# KiCad board pico_keyboard_v1.kicad_pcb
title: Pico Prototype Keyboard 65%; date: 2022-05-30; note: Ver 0.4; note: CC BY-SA 4.0; note: https://github.com/zli117/Pico-Keyboard
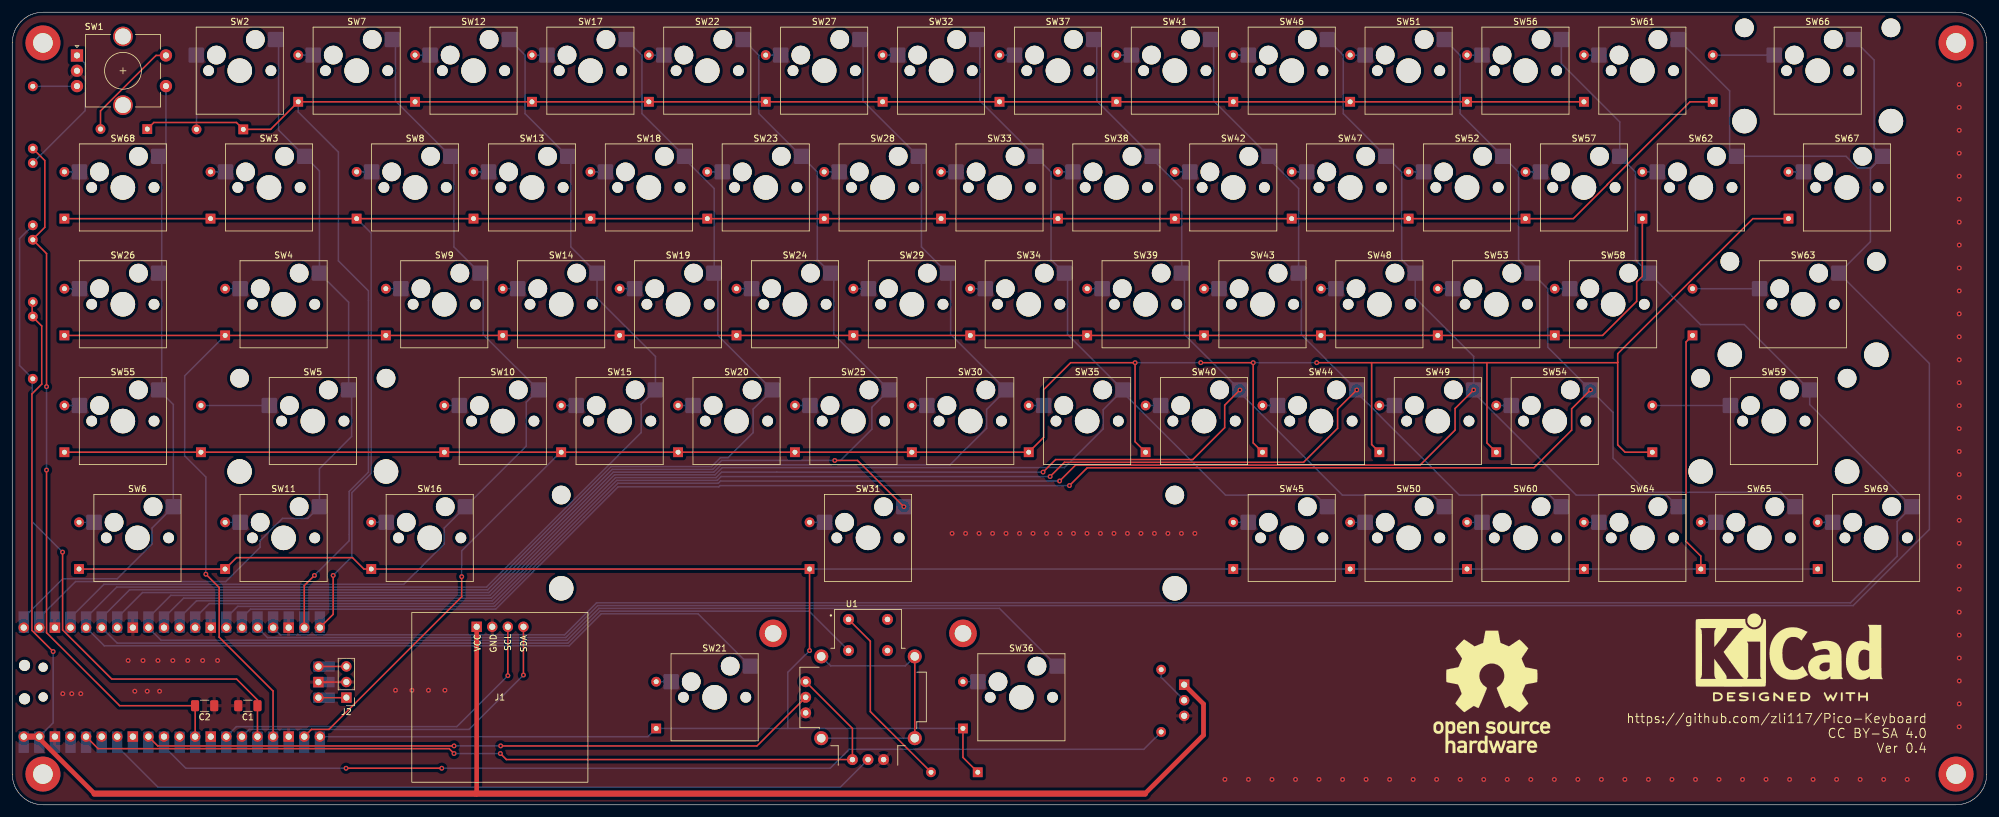
[diagram p0: board, top side]
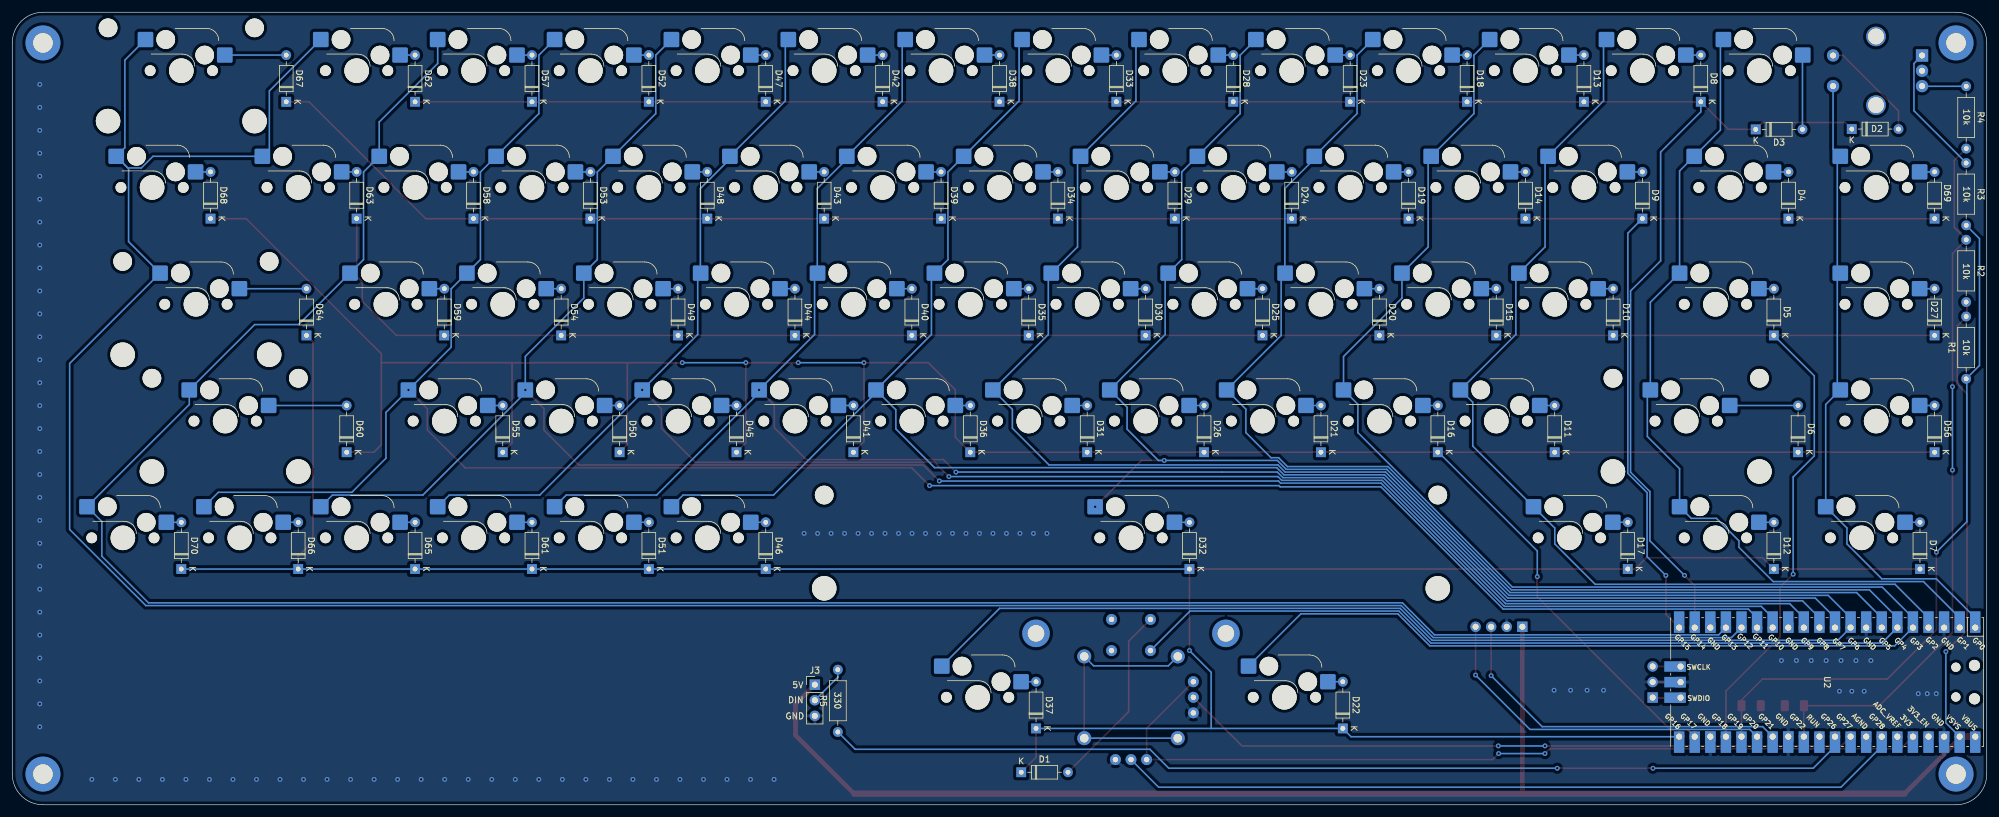
[diagram p1: board, bottom side, seen from below]

Outline 321.8 x 129.25 mm; copper layers: Top, Bottom. Coordinates in mm from the lower left corner of the outline.
Outline path: 0,124.25 0,5 arc(1.46,1.46) 5,0 316.8,0 arc(320.34,1.46) 321.8,5 321.8,124.25 arc(320.34,127.79) 316.8,129.25 5,129.25 arc(1.46,127.79) 0,124.25

## Placement (name value [footprint] x y rotation side)
C1  0.01 μF  [C_1206_3216Metric_Pad1.33x1.80mm_HandSolder]  38.4 16.15 180 top
C2  0.01 μF  [C_1206_3216Metric_Pad1.33x1.80mm_HandSolder]  31.35 16.15 180 top
D1  D  [D_DO-35_SOD27_P7.62mm_Horizontal]  157.36 5.3 180 bottom
D2  D  [D_DO-35_SOD27_P7.62mm_Horizontal]  22 110.2 180 bottom
D3  D  [D_DO-35_SOD27_P7.62mm_Horizontal]  37.65 110.15 180 bottom
D4  D  [D_DO-35_SOD27_P7.62mm_Horizontal]  32.31 95.59 90 bottom
D5  D  [D_DO-35_SOD27_P7.62mm_Horizontal]  34.69 76.54 90 bottom
D6  D  [D_DO-35_SOD27_P7.62mm_Horizontal]  30.75 57.5 90 bottom
D7  D  [D_DO-35_SOD27_P7.62mm_Horizontal]  10.88 38.44 90 bottom
D8  D  [D_DO-35_SOD27_P7.62mm_Horizontal]  46.6 114.64 90 bottom
D9  D  [D_DO-35_SOD27_P7.62mm_Horizontal]  56.12 95.59 90 bottom
D10  D  [D_DO-35_SOD27_P7.62mm_Horizontal]  60.89 76.54 90 bottom
D11  D  [D_DO-35_SOD27_P7.62mm_Horizontal]  70.41 57.5 90 bottom
D12  D  [D_DO-35_SOD27_P7.62mm_Horizontal]  34.69 38.44 90 bottom
D13  D  [D_DO-35_SOD27_P7.62mm_Horizontal]  65.65 114.64 90 bottom
D14  D  [D_DO-35_SOD27_P7.62mm_Horizontal]  75.17 95.59 90 bottom
D15  D  [D_DO-35_SOD27_P7.62mm_Horizontal]  79.94 76.54 90 bottom
D16  D  [D_DO-35_SOD27_P7.62mm_Horizontal]  89.46 57.5 90 bottom
D17  D  [D_DO-35_SOD27_P7.62mm_Horizontal]  58.51 38.44 90 bottom
D18  D  [D_DO-35_SOD27_P7.62mm_Horizontal]  84.7 114.64 90 bottom
D19  D  [D_DO-35_SOD27_P7.62mm_Horizontal]  94.22 95.59 90 bottom
D20  D  [D_DO-35_SOD27_P7.62mm_Horizontal]  98.99 76.54 90 bottom
D21  D  [D_DO-35_SOD27_P7.62mm_Horizontal]  108.51 57.5 90 bottom
D22  D  [D_DO-35_SOD27_P7.62mm_Horizontal]  104.94 12.44 90 bottom
D23  D  [D_DO-35_SOD27_P7.62mm_Horizontal]  103.75 114.64 90 bottom
D24  D  [D_DO-35_SOD27_P7.62mm_Horizontal]  113.28 95.59 90 bottom
D25  D  [D_DO-35_SOD27_P7.62mm_Horizontal]  118.04 76.54 90 bottom
D26  D  [D_DO-35_SOD27_P7.62mm_Horizontal]  127.56 57.5 90 bottom
D27  D  [D_DO-35_SOD27_P7.62mm_Horizontal]  8.5 76.54 90 bottom
D28  D  [D_DO-35_SOD27_P7.62mm_Horizontal]  122.8 114.64 90 bottom
D29  D  [D_DO-35_SOD27_P7.62mm_Horizontal]  132.32 95.59 90 bottom
D30  D  [D_DO-35_SOD27_P7.62mm_Horizontal]  137.09 76.54 90 bottom
D31  D  [D_DO-35_SOD27_P7.62mm_Horizontal]  146.61 57.5 90 bottom
D32  D  [D_DO-35_SOD27_P7.62mm_Horizontal]  129.94 38.44 90 bottom
D33  D  [D_DO-35_SOD27_P7.62mm_Horizontal]  141.85 114.64 90 bottom
D34  D  [D_DO-35_SOD27_P7.62mm_Horizontal]  151.38 95.59 90 bottom
D35  D  [D_DO-35_SOD27_P7.62mm_Horizontal]  156.14 76.54 90 bottom
D36  D  [D_DO-35_SOD27_P7.62mm_Horizontal]  165.66 57.5 90 bottom
D37  D  [D_DO-35_SOD27_P7.62mm_Horizontal]  154.94 12.44 90 bottom
D38  D  [D_DO-35_SOD27_P7.62mm_Horizontal]  160.9 114.64 90 bottom
D39  D  [D_DO-35_SOD27_P7.62mm_Horizontal]  170.43 95.59 90 bottom
D40  D  [D_DO-35_SOD27_P7.62mm_Horizontal]  175.19 76.54 90 bottom
D41  D  [D_DO-35_SOD27_P7.62mm_Horizontal]  184.71 57.5 90 bottom
D42  D  [D_DO-35_SOD27_P7.62mm_Horizontal]  179.95 114.64 90 bottom
D43  D  [D_DO-35_SOD27_P7.62mm_Horizontal]  189.47 95.59 90 bottom
D44  D  [D_DO-35_SOD27_P7.62mm_Horizontal]  194.24 76.54 90 bottom
D45  D  [D_DO-35_SOD27_P7.62mm_Horizontal]  203.76 57.5 90 bottom
D46  D  [D_DO-35_SOD27_P7.62mm_Horizontal]  199 38.44 90 bottom
D47  D  [D_DO-35_SOD27_P7.62mm_Horizontal]  199 114.64 90 bottom
D48  D  [D_DO-35_SOD27_P7.62mm_Horizontal]  208.52 95.59 90 bottom
D49  D  [D_DO-35_SOD27_P7.62mm_Horizontal]  213.29 76.54 90 bottom
D50  D  [D_DO-35_SOD27_P7.62mm_Horizontal]  222.81 57.5 90 bottom
D51  D  [D_DO-35_SOD27_P7.62mm_Horizontal]  218.05 38.44 90 bottom
D52  D  [D_DO-35_SOD27_P7.62mm_Horizontal]  218.05 114.64 90 bottom
D53  D  [D_DO-35_SOD27_P7.62mm_Horizontal]  227.57 95.59 90 bottom
D54  D  [D_DO-35_SOD27_P7.62mm_Horizontal]  232.34 76.54 90 bottom
D55  D  [D_DO-35_SOD27_P7.62mm_Horizontal]  241.86 57.5 90 bottom
D56  D  [D_DO-35_SOD27_P7.62mm_Horizontal]  8.5 57.5 90 bottom
D57  D  [D_DO-35_SOD27_P7.62mm_Horizontal]  237.1 114.64 90 bottom
D58  D  [D_DO-35_SOD27_P7.62mm_Horizontal]  246.62 95.59 90 bottom
D59  D  [D_DO-35_SOD27_P7.62mm_Horizontal]  251.39 76.54 90 bottom
D60  D  [D_DO-35_SOD27_P7.62mm_Horizontal]  267.3 57.5 90 bottom
D61  D  [D_DO-35_SOD27_P7.62mm_Horizontal]  237.1 38.44 90 bottom
D62  D  [D_DO-35_SOD27_P7.62mm_Horizontal]  256.15 114.64 90 bottom
D63  D  [D_DO-35_SOD27_P7.62mm_Horizontal]  265.68 95.59 90 bottom
D64  D  [D_DO-35_SOD27_P7.62mm_Horizontal]  273.85 76.54 90 bottom
D65  D  [D_DO-35_SOD27_P7.62mm_Horizontal]  256.15 38.44 90 bottom
D66  D  [D_DO-35_SOD27_P7.62mm_Horizontal]  275.2 38.44 90 bottom
D67  D  [D_DO-35_SOD27_P7.62mm_Horizontal]  277.15 114.64 90 bottom
D68  D  [D_DO-35_SOD27_P7.62mm_Horizontal]  289.49 95.59 90 bottom
D69  D  [D_DO-35_SOD27_P7.62mm_Horizontal]  8.5 95.59 90 bottom
D70  D  [D_DO-35_SOD27_P7.62mm_Horizontal]  294.25 38.44 90 bottom
J1  Conn_01x04_12864  [JMD0.96C]  79.47 17.53 0 top
J2  Conn_01x03_Female  [PinHeader_1x03_P2.54mm_Vertical]  54.45 17.47 180 top
J3  Conn_01x03_Female  [PinHeader_1x03_P2.54mm_Vertical]  191 19.58 180 bottom
R1  10k  [R_Axial_DIN0207_L6.3mm_D2.5mm_P10.16mm_Horizontal]  3.35 69.47 90 bottom
R2  10k  [R_Axial_DIN0207_L6.3mm_D2.5mm_P10.16mm_Horizontal]  3.35 92.15 270 bottom
R3  10k  [R_Axial_DIN0207_L6.3mm_D2.5mm_P10.16mm_Horizontal]  3.35 104.66 270 bottom
R4  10k  [R_Axial_DIN0207_L6.3mm_D2.5mm_P10.16mm_Horizontal]  3.35 117.18 270 bottom
R5  330  [R_Axial_DIN0207_L6.3mm_D2.5mm_P10.16mm_Horizontal]  187.25 11.87 90 bottom
REF**  -  [Stabilizer_Cherry_MX_2.00u]  291.87 81.62 0 top
REF**#2  -  [OSHW-Logo_19x20mm_SilkScreen]  241.12 18.42 0 top
REF**#3  -  [MountingHole_2.7mm_M2.5_ISO7380_Pad]  124 27.95 0 top
REF**#4  -  [Stabilizer_Cherry_MX_2.00u]  287.11 62.57 0 top
REF**#5  -  [MountingHole_3.2mm_M3_ISO7380_Pad]  5 124.25 0 top
REF**#6  -  [MountingHole_3.2mm_M3_ISO7380_Pad]  5 5 0 top
REF**#7  -  [KiCad-Logo2_12mm_SilkScreen]  289.6 25.27 0 top
REF**#8  -  [Stabilizer_Cherry_MX_6.25u]  139.47 43.53 0 top
REF**#9  -  [Stabilizer_Cherry_MX_2.00u]  294.25 119.72 0 top
REF**#10  -  [Stabilizer_Cherry_MX_2.00u]  48.98 62.57 0 top
REF**#11  -  [MountingHole_3.2mm_M3_ISO7380_Pad]  316.8 5 0 top
REF**#12  -  [MountingHole_3.2mm_M3_ISO7380_Pad]  316.8 124.25 0 top
REFr  -  [MountingHole_2.7mm_M2.5_ISO7380_Pad]  154.95 27.95 0 top
SW1  RotaryEncoder_Switch  [RotaryEncoder_Alps_EC11E-Switch_Vertical_H20mm_CircularMountingHoles]  10.55 122.2 0 top
SW2  SW_`  [SW_Hotswap_Kailh_MX_1.00u]  37.08 119.72 0 top
SW3  SW_tab  [SW_Hotswap_Kailh_MX_1.50u]  41.84 100.67 0 top
SW4  SW_caps  [SW_Hotswap_Kailh_MX_1.75u]  44.22 81.62 0 top
SW5  SW_shift  [SW_Hotswap_Kailh_MX_2.25u]  48.98 62.57 0 top
SW6  SW_ctrl  [SW_Hotswap_Kailh_MX_1.25u]  20.41 43.53 0 top
SW7  SW_1  [SW_Hotswap_Kailh_MX_1.00u]  56.12 119.72 0 top
SW8  SW_q  [SW_Hotswap_Kailh_MX_1.00u]  65.65 100.67 0 top
SW9  SW_a  [SW_Hotswap_Kailh_MX_1.00u]  70.41 81.62 0 top
SW10  SW_z  [SW_Hotswap_Kailh_MX_1.00u]  79.94 62.57 0 top
SW11  SW_super  [SW_Hotswap_Kailh_MX_1.25u]  44.22 43.53 0 top
SW12  SW_2  [SW_Hotswap_Kailh_MX_1.00u]  75.17 119.72 0 top
SW13  SW_w  [SW_Hotswap_Kailh_MX_1.00u]  84.7 100.67 0 top
SW14  SW_s  [SW_Hotswap_Kailh_MX_1.00u]  89.46 81.62 0 top
SW15  SW_x  [SW_Hotswap_Kailh_MX_1.00u]  98.99 62.57 0 top
SW16  SW_alt  [SW_Hotswap_Kailh_MX_1.25u]  68.03 43.53 0 top
SW17  SW_3  [SW_Hotswap_Kailh_MX_1.00u]  94.22 119.72 0 top
SW18  SW_e  [SW_Hotswap_Kailh_MX_1.00u]  103.75 100.67 0 top
SW19  SW_d  [SW_Hotswap_Kailh_MX_1.00u]  108.51 81.62 0 top
SW20  SW_c  [SW_Hotswap_Kailh_MX_1.00u]  118.04 62.57 0 top
SW21  SW_m_left  [SW_Hotswap_Kailh_MX_1.00u]  114.47 17.53 0 top
SW22  SW_4  [SW_Hotswap_Kailh_MX_1.00u]  113.28 119.72 0 top
SW23  SW_r  [SW_Hotswap_Kailh_MX_1.00u]  122.8 100.67 0 top
SW24  SW_f  [SW_Hotswap_Kailh_MX_1.00u]  127.56 81.62 0 top
SW25  SW_v  [SW_Hotswap_Kailh_MX_1.00u]  137.09 62.57 0 top
SW26  SW_del  [SW_Hotswap_Kailh_MX_1.00u]  18.03 81.62 0 top
SW27  SW_5  [SW_Hotswap_Kailh_MX_1.00u]  132.32 119.72 0 top
SW28  SW_t  [SW_Hotswap_Kailh_MX_1.00u]  141.85 100.67 0 top
SW29  SW_g  [SW_Hotswap_Kailh_MX_1.00u]  146.61 81.62 0 top
SW30  SW_b  [SW_Hotswap_Kailh_MX_1.00u]  156.14 62.57 0 top
SW31  SW_space  [SW_Hotswap_Kailh_MX_6.25u]  139.47 43.53 0 top
SW32  SW_6  [SW_Hotswap_Kailh_MX_1.00u]  151.38 119.72 0 top
SW33  SW_y  [SW_Hotswap_Kailh_MX_1.00u]  160.9 100.67 0 top
SW34  SW_h  [SW_Hotswap_Kailh_MX_1.00u]  165.66 81.62 0 top
SW35  SW_n  [SW_Hotswap_Kailh_MX_1.00u]  175.19 62.57 0 top
SW36  SW_m_right  [SW_Hotswap_Kailh_MX_1.00u]  164.47 17.53 0 top
SW37  SW_7  [SW_Hotswap_Kailh_MX_1.00u]  170.43 119.72 0 top
SW38  SW_u  [SW_Hotswap_Kailh_MX_1.00u]  179.95 100.67 0 top
SW39  SW_j  [SW_Hotswap_Kailh_MX_1.00u]  184.71 81.62 0 top
SW40  SW_m  [SW_Hotswap_Kailh_MX_1.00u]  194.24 62.57 0 top
SW41  SW_8  [SW_Hotswap_Kailh_MX_1.00u]  189.47 119.72 0 top
SW42  SW_i  [SW_Hotswap_Kailh_MX_1.00u]  199 100.67 0 top
SW43  SW_k  [SW_Hotswap_Kailh_MX_1.00u]  203.76 81.62 0 top
SW44  SW_,  [SW_Hotswap_Kailh_MX_1.00u]  213.29 62.57 0 top
SW45  SW_fn1  [SW_Hotswap_Kailh_MX_1.00u]  208.52 43.53 0 top
SW46  SW_9  [SW_Hotswap_Kailh_MX_1.00u]  208.52 119.72 0 top
SW47  SW_o  [SW_Hotswap_Kailh_MX_1.00u]  218.05 100.67 0 top
SW48  SW_l  [SW_Hotswap_Kailh_MX_1.00u]  222.81 81.62 0 top
SW49  SW_.  [SW_Hotswap_Kailh_MX_1.00u]  232.34 62.57 0 top
SW50  SW_fn2  [SW_Hotswap_Kailh_MX_1.00u]  227.57 43.53 0 top
SW51  SW_0  [SW_Hotswap_Kailh_MX_1.00u]  227.57 119.72 0 top
SW52  SW_p  [SW_Hotswap_Kailh_MX_1.00u]  237.1 100.67 0 top
SW53  SW_;  [SW_Hotswap_Kailh_MX_1.00u]  241.86 81.62 0 top
SW54  SW_/  [SW_Hotswap_Kailh_MX_1.00u]  251.39 62.57 0 top
SW55  SW_ins  [SW_Hotswap_Kailh_MX_1.00u]  18.03 62.57 0 top
SW56  SW_-  [SW_Hotswap_Kailh_MX_1.00u]  246.62 119.72 0 top
SW57  SW_[  [SW_Hotswap_Kailh_MX_1.00u]  256.15 100.67 0 top
SW58  SW_'  [SW_Hotswap_Kailh_MX_1.00u]  260.91 81.62 0 top
SW59  SW_r_shift  [SW_Hotswap_Kailh_MX_2.75u]  287.11 62.57 0 top
SW60  SW_left  [SW_Hotswap_Kailh_MX_1.00u]  246.62 43.53 0 top
SW61  SW_+  [SW_Hotswap_Kailh_MX_1.00u]  265.68 119.72 0 top
SW62  SW_]  [SW_Hotswap_Kailh_MX_1.00u]  275.2 100.67 0 top
SW63  SW_enter  [SW_Hotswap_Kailh_MX_2.25u]  291.87 81.62 0 top
SW64  SW_down  [SW_Hotswap_Kailh_MX_1.00u]  265.68 43.53 0 top
SW65  SW_up  [SW_Hotswap_Kailh_MX_1.00u]  284.73 43.53 0 top
SW66  SW_back  [SW_Hotswap_Kailh_MX_2.00u]  294.25 119.72 0 top
SW67  SW_\  [SW_Hotswap_Kailh_MX_1.50u]  299.01 100.67 0 top
SW68  SW_esc  [SW_Hotswap_Kailh_MX_1.00u]  18.03 100.67 0 top
SW69  SW_right  [SW_Hotswap_Kailh_MX_1.00u]  303.77 43.53 0 top
U1  COM-09032  [XDCR_COM-09032]  139.47 17.53 0 top
U2  Pico  [RPi_Pico_SMD_TH]  26 20 270 bottom

## Library data of the parts
U1 = -: MANUFACTURER: SparkFun Electronics; MAXIMUM_PACKAGE_HEIGHT: 30.1mm; PARTREV: N/A; STANDARD: Manufacturer Recommendations

## Footprints (pads in the part's own frame, mm; a bottom-side part is the same pattern mirrored in y, then rotated)
C_1206_3216Metric_Pad1.33x1.80mm_HandSolder
  rrect 1.325x1.8 smd: 1(-1.562,0) 2(1.562,0)
D_DO-35_SOD27_P7.62mm_Horizontal
  rect 1.6x1.6 hole 0.8: 1(0,0)
  oval 1.6x1.6 hole 0.8: 2(7.62,0)
JMD0.96C
  rect 1.7x1.7 hole 1: 1(-3.78,11.5)
  oval 1.7x1.7 hole 1: 2(-1.24,11.5) 3(1.3,11.5) 4(3.84,11.5)
MountingHole_2.7mm_M2.5_ISO7380_Pad
  round 4.5 hole 2.7: 1(0,0)
MountingHole_3.2mm_M3_ISO7380_Pad
  round 5.7 hole 3.2: 1(0,0)
PinHeader_1x03_P2.54mm_Vertical
  rect 1.7x1.7 hole 1: 1(0,0)
  oval 1.7x1.7 hole 1: 2(0,-2.54) 3(0,-5.08)
R_Axial_DIN0207_L6.3mm_D2.5mm_P10.16mm_Horizontal
  round 1.6 hole 0.8: 1(0,0)
  oval 1.6x1.6 hole 0.8: 2(10.16,0)
RotaryEncoder_Alps_EC11E-Switch_Vertical_H20mm_CircularMountingHoles
  rect 2x2 hole 1: A(0,0)
  round 2 hole 1: B(0,-5) C(0,-2.5) S1(14.5,-5) S2(14.5,0)
  round 3.2 hole 2.6: MP(7.5,3.1) MP(7.5,-8.1)
RPi_Pico_SMD_TH
  oval 1.8x1.8 hole 1.8 unplated: (-2.725,24) (2.725,24)
  oval 1.5x1.5 hole 1.5 unplated: (-2.425,20.97) (2.425,20.97)
  oval 1.7x1.7 hole 1.02: 1(-8.89,24.13) 2(-8.89,21.59) 4(-8.89,16.51) 5(-8.89,13.97) 6(-8.89,11.43) 7(-8.89,8.89) 9(-8.89,3.81) 10(-8.89,1.27) 11(-8.89,-1.27) 12(-8.89,-3.81) 14(-8.89,-8.89) 15(-8.89,-11.43) 16(-8.89,-13.97) 17(-8.89,-16.51) 19(-8.89,-21.59) 20(-8.89,-24.13) 21(8.89,-24.13) 22(8.89,-21.59) 24(8.89,-16.51) 25(8.89,-13.97) 26(8.89,-11.43) 27(8.89,-8.89) 29(8.89,-3.81) 30(8.89,-1.27) 31(8.89,1.27) 32(8.89,3.81) 34(8.89,8.89) 35(8.89,11.43) 36(8.89,13.97) 37(8.89,16.51) 39(8.89,21.59) 40(8.89,24.13) 41(-2.54,-23.9) 43(2.54,-23.9)
  rect 3.5x1.7 smd: 1(-8.89,24.13) 2(-8.89,21.59) 3(-8.89,19.05) 4(-8.89,16.51) 5(-8.89,13.97) 6(-8.89,11.43) 7(-8.89,8.89) 8(-8.89,6.35) 9(-8.89,3.81) 10(-8.89,1.27) 11(-8.89,-1.27) 12(-8.89,-3.81) 13(-8.89,-6.35) 14(-8.89,-8.89) 15(-8.89,-11.43) 16(-8.89,-13.97) 17(-8.89,-16.51) 18(-8.89,-19.05) 19(-8.89,-21.59) 20(-8.89,-24.13) 21(8.89,-24.13) 22(8.89,-21.59) 23(8.89,-19.05) 24(8.89,-16.51) 25(8.89,-13.97) 26(8.89,-11.43) 27(8.89,-8.89) 28(8.89,-6.35) 29(8.89,-3.81) 30(8.89,-1.27) 31(8.89,1.27) 32(8.89,3.81) 33(8.89,6.35) 34(8.89,8.89) 35(8.89,11.43) 36(8.89,13.97) 37(8.89,16.51) 38(8.89,19.05) 39(8.89,21.59) 40(8.89,24.13)
  rect 1.7x1.7 hole 1.02: 3(-8.89,19.05) 8(-8.89,6.35) 13(-8.89,-6.35) 18(-8.89,-19.05) 23(8.89,-19.05) 28(8.89,-6.35) 33(8.89,6.35) 38(8.89,19.05) 42(0,-23.9)
  rect 1.7x3.5 smd: 41(-2.54,-23.9) 42(0,-23.9) 43(2.54,-23.9)
Stabilizer_Cherry_MX_2.00u
  round 3.048 hole 3.048 unplated: (-11.938,6.985) (11.938,6.985)
  round 3.988 hole 3.988 unplated: (-11.938,-8.225) (11.938,-8.225)
Stabilizer_Cherry_MX_6.25u
  round 3.048 hole 3.048 unplated: (-50,6.985) (50,6.985)
  round 3.988 hole 3.988 unplated: (-50,-8.225) (50,-8.225)
SW_Hotswap_Kailh_MX_1.00u
  round 1.75 hole 1.75 unplated: (-5.08,0) (5.08,0)
  round 3.05 hole 3.05 unplated: (-3.81,2.54) (2.54,5.08)
  round 4 hole 4 unplated: (0,0)
  rrect 2.55x2.5 smd far side: 1(-7.085,2.54) 2(5.842,5.08)
SW_Hotswap_Kailh_MX_1.25u
  round 1.75 hole 1.75 unplated: (-5.08,0) (5.08,0)
  round 3.05 hole 3.05 unplated: (-3.81,2.54) (2.54,5.08)
  round 4 hole 4 unplated: (0,0)
  rrect 2.55x2.5 smd far side: 1(-7.085,2.54) 2(5.842,5.08)
SW_Hotswap_Kailh_MX_1.50u
  round 1.75 hole 1.75 unplated: (-5.08,0) (5.08,0)
  round 3.05 hole 3.05 unplated: (-3.81,2.54) (2.54,5.08)
  round 4 hole 4 unplated: (0,0)
  rrect 2.55x2.5 smd far side: 1(-7.085,2.54) 2(5.842,5.08)
SW_Hotswap_Kailh_MX_1.75u
  round 1.75 hole 1.75 unplated: (-5.08,0) (5.08,0)
  round 3.05 hole 3.05 unplated: (-3.81,2.54) (2.54,5.08)
  round 4 hole 4 unplated: (0,0)
  rrect 2.55x2.5 smd far side: 1(-7.085,2.54) 2(5.842,5.08)
SW_Hotswap_Kailh_MX_2.00u
  round 1.75 hole 1.75 unplated: (-5.08,0) (5.08,0)
  round 3.05 hole 3.05 unplated: (-3.81,2.54) (2.54,5.08)
  round 4 hole 4 unplated: (0,0)
  rrect 2.55x2.5 smd far side: 1(-7.085,2.54) 2(5.842,5.08)
SW_Hotswap_Kailh_MX_2.25u
  round 1.75 hole 1.75 unplated: (-5.08,0) (5.08,0)
  round 3.05 hole 3.05 unplated: (-3.81,2.54) (2.54,5.08)
  round 4 hole 4 unplated: (0,0)
  rrect 2.55x2.5 smd far side: 1(-7.085,2.54) 2(5.842,5.08)
SW_Hotswap_Kailh_MX_2.75u
  round 1.75 hole 1.75 unplated: (-5.08,0) (5.08,0)
  round 3.05 hole 3.05 unplated: (-3.81,2.54) (2.54,5.08)
  round 4 hole 4 unplated: (0,0)
  rrect 2.55x2.5 smd far side: 1(-7.085,2.54) 2(5.842,5.08)
SW_Hotswap_Kailh_MX_6.25u
  round 1.75 hole 1.75 unplated: (-5.08,0) (5.08,0)
  round 3.05 hole 3.05 unplated: (-3.81,2.54) (2.54,5.08)
  round 4 hole 4 unplated: (0,0)
  rrect 2.55x2.5 smd far side: 1(-7.085,2.54) 2(5.842,5.08)
XDCR_COM-09032
  round 1.778 hole 0.9: B1A(-3.175,12.7) B1B(3.175,12.7) B2A(-3.175,7.62) B2B(3.175,7.62)
  round 1.778 hole 0.889: H1(-2.54,-10.16) H2(0,-10.16) H3(2.54,-10.16) V1(-10.16,2.54) V2(-10.16,0) V3(-10.16,-2.54)
  round 2.286 hole 1.397: S1(-7.62,6.668) S2(-7.62,-6.668) S3(7.62,-6.668) S4(7.62,6.668)

## Nets
+3V3: U1.H1 U1.V1 U2.36
+5V: J1.1 J3.1 R1.2 R2.2 U2.39 U2.40
GND: C1.2 C2.1 J1.2 J2.2 J3.3 SW1.C U1.H3 U1.V3 U2.3 U2.8 U2.13 U2.18 U2.23 U2.28 U2.38 U2.42
C0: SW1.S1 SW6.2 SW26.2 SW55.2 SW68.2 U2.1
C1: SW2.2 SW3.2 SW4.2 SW5.2 SW11.2 U2.2
C2: SW7.2 SW8.2 SW9.2 SW10.2 SW16.2 U2.4
C3: SW12.2 SW13.2 SW14.2 SW15.2 SW21.2 U2.5
C4: SW17.2 SW18.2 SW19.2 SW20.2 U1.B2A U2.6
C5: SW22.2 SW23.2 SW24.2 SW25.2 SW31.2 U2.7
C6: SW27.2 SW28.2 SW29.2 SW30.2 SW36.2 U2.9
C7: SW32.2 SW33.2 SW34.2 SW35.2 SW45.2 U2.10
C8: SW37.2 SW38.2 SW39.2 SW40.2 SW50.2 U2.11
C9: SW41.2 SW42.2 SW43.2 SW44.2 SW60.2 U2.12
C10: SW46.2 SW47.2 SW48.2 SW49.2 SW64.2 U2.14
C11: SW51.2 SW52.2 SW53.2 SW54.2 SW65.2 U2.15
C12: SW56.2 SW57.2 SW58.2 SW59.2 SW69.2 U2.17
GPIO12: SW61.2 SW62.2 SW63.2 SW66.2 SW67.2 U2.16
GPIO14: D2.1 D3.1 D8.1 D13.1 D18.1 D23.1 D28.1 D33.1 D38.1 D42.1 D47.1 D52.1 D57.1 D62.1 U2.19
GPIO15: D4.1 D9.1 D14.1 D19.1 D24.1 D29.1 D34.1 D39.1 D43.1 D48.1 D53.1 D58.1 D67.1 D69.1 U2.20
GPIO16: D1.1 D7.1 D12.1 D17.1 D22.1 D32.1 D37.1 D46.1 D51.1 D61.1 D64.1 D65.1 D66.1 D70.1 U2.21
GPIO17: D6.1 D11.1 D16.1 D21.1 D26.1 D31.1 D36.1 D41.1 D45.1 D50.1 D55.1 D56.1 D60.1 D68.1 U2.22
GPIO18: D5.1 D10.1 D15.1 D20.1 D25.1 D27.1 D30.1 D35.1 D40.1 D44.1 D49.1 D54.1 D59.1 D63.1 U2.24
GPIO19: C1.1 R1.1 R3.2 U2.25
GPIO20: J1.4 U2.26
GPIO21: J1.3 U2.27
GPIO22: C2.2 R2.1 R4.2 U2.29
GPIO26: R5.1 U2.31
GPIO27: U1.V2 U2.32
GPIO28: U1.H2 U2.34
Net-(D1-Pad2): D1.2 U1.B1A
Net-(D2-Pad2): D2.2 SW1.S2
Net-(D3-Pad2): D3.2 SW2.1
Net-(D4-Pad2): D4.2 SW3.1
Net-(D5-Pad2): D5.2 SW4.1
Net-(D6-Pad2): D6.2 SW5.1
Net-(D7-Pad2): D7.2 SW6.1
Net-(D8-Pad2): D8.2 SW7.1
Net-(D9-Pad2): D9.2 SW8.1
Net-(D10-Pad2): D10.2 SW9.1
Net-(D11-Pad2): D11.2 SW10.1
Net-(D12-Pad2): D12.2 SW11.1
Net-(D13-Pad2): D13.2 SW12.1
Net-(D14-Pad2): D14.2 SW13.1
Net-(D15-Pad2): D15.2 SW14.1
Net-(D16-Pad2): D16.2 SW15.1
Net-(D17-Pad2): D17.2 SW16.1
Net-(D18-Pad2): D18.2 SW17.1
Net-(D19-Pad2): D19.2 SW18.1
Net-(D20-Pad2): D20.2 SW19.1
Net-(D21-Pad2): D21.2 SW20.1
Net-(D22-Pad2): D22.2 SW21.1
Net-(D23-Pad2): D23.2 SW22.1
Net-(D24-Pad2): D24.2 SW23.1
Net-(D25-Pad2): D25.2 SW24.1
Net-(D26-Pad2): D26.2 SW25.1
Net-(D27-Pad2): D27.2 SW26.1
Net-(D28-Pad2): D28.2 SW27.1
Net-(D29-Pad2): D29.2 SW28.1
Net-(D30-Pad2): D30.2 SW29.1
Net-(D31-Pad2): D31.2 SW30.1
Net-(D32-Pad2): D32.2 SW31.1
Net-(D33-Pad2): D33.2 SW32.1
Net-(D34-Pad2): D34.2 SW33.1
Net-(D35-Pad2): D35.2 SW34.1
Net-(D36-Pad2): D36.2 SW35.1
Net-(D37-Pad2): D37.2 SW36.1
Net-(D38-Pad2): D38.2 SW37.1
Net-(D39-Pad2): D39.2 SW38.1
Net-(D40-Pad2): D40.2 SW39.1
Net-(D41-Pad2): D41.2 SW40.1
Net-(D42-Pad2): D42.2 SW41.1
Net-(D43-Pad2): D43.2 SW42.1
Net-(D44-Pad2): D44.2 SW43.1
Net-(D45-Pad2): D45.2 SW44.1
Net-(D46-Pad2): D46.2 SW45.1
Net-(D47-Pad2): D47.2 SW46.1
Net-(D48-Pad2): D48.2 SW47.1
Net-(D49-Pad2): D49.2 SW48.1
Net-(D50-Pad2): D50.2 SW49.1
Net-(D51-Pad2): D51.2 SW50.1
Net-(D52-Pad2): D52.2 SW51.1
Net-(D53-Pad2): D53.2 SW52.1
Net-(D54-Pad2): D54.2 SW53.1
Net-(D55-Pad2): D55.2 SW54.1
Net-(D56-Pad2): D56.2 SW55.1
Net-(D57-Pad2): D57.2 SW56.1
Net-(D58-Pad2): D58.2 SW57.1
Net-(D59-Pad2): D59.2 SW58.1
Net-(D60-Pad2): D60.2 SW59.1
Net-(D61-Pad2): D61.2 SW60.1
Net-(D62-Pad2): D62.2 SW61.1
Net-(D63-Pad2): D63.2 SW62.1
Net-(D64-Pad2): D64.2 SW63.1
Net-(D65-Pad2): D65.2 SW64.1
Net-(D66-Pad2): D66.2 SW65.1
Net-(D67-Pad2): D67.2 SW66.1
Net-(D68-Pad2): D68.2 SW67.1
Net-(D69-Pad2): D69.2 SW68.1
Net-(D70-Pad2): D70.2 SW69.1
Net-(J2-Pad1): J2.1 U2.43
Net-(J2-Pad3): J2.3 U2.41
Net-(J3-Pad2): J3.2 R5.2
Net-(R3-Pad1): R3.1 SW1.A
Net-(R4-Pad1): R4.1 SW1.B

Pads without a net: REF**#3 1; REF**#5 1; REF**#6 1; REF**#11 1; REF**#12 1; REFr 1; SW1 MP; U1 B1B B2B S1 S2 S3 S4; U2 30 33 35 37

## Via types
v1: diameter 0.8, hole 0.4, Top to Bottom, 126 vias

## Routing (per net, layer and track width the routed paths; a pad name or vN(x,y) marks a point on that pad's centre or on a via; arc(x,y) is an arc through that point)
+3V3: length 142.3
  Top w0.25: v1(72,8.35) 71.2,9.15 13.99,9.15 U2.36 ; U1.V1 136.93,12.44 U1.H1 80.53,7.37 v1(79.55,8.35)
  Bottom w0.25: v1(72,8.35) v1(79.55,8.35)
+5V: length 311.7
  Top w0.25: 3.3,82.02 3.25,81.97 3.25,79.63 4.8,78.08 4.8,68.6 3.2,67 3.2,28.44 v1(6.66,24.98) ; U2.39 4.41,10.79 ; 75.69,1.84 75.65,1.8
  Top w0.75: 184.6,1.8 194.15,11.35 194.15,16.43 J3.1 ; J1.1 75.69,1.84 ; 4.41,10.79 13.4,1.8
  Top w1: 184.6,1.8 13.4,1.8 ; U2.40 U2.39
  Bottom w0.25: v1(6.66,24.98) 6.66,13.36 U2.39
GND: length 4.6
  Top w0.25: J2.2 54.44,20 U2.42
  vias: v1(8.23,18.11) v1(9.7,18.11) v1(11.16,18.11) v1(18.88,23.52) v1(19.97,18.51) v1(21.31,23.52) v1(21.99,18.51) v1(23.74,23.52) v1(24.01,18.51) v1(26.17,23.52) v1(28.6,23.52) v1(31.03,23.52) v1(33.46,23.52) v1(62.45,18.67) v1(65.14,18.67) v1(67.82,18.67) v1(70.51,18.67) v1(153.17,44.25) v1(155.37,44.25) v1(157.57,44.25) v1(159.77,44.25) v1(161.97,44.25) v1(164.17,44.25) v1(166.36,44.25) v1(168.56,44.25) v1(170.76,44.25) v1(172.96,44.25) v1(175.16,44.25) v1(177.35,44.25) v1(179.55,44.25) v1(181.75,44.25) v1(183.95,44.25) v1(186.15,44.25) v1(188.35,44.25) v1(190.54,44.25) v1(192.74,44.25) v1(197.64,4.13) v1(201.47,4.13) v1(205.31,4.13) v1(209.14,4.13) v1(212.98,4.13) v1(216.81,4.13) v1(220.65,4.13) v1(224.48,4.13) v1(228.32,4.13) v1(232.15,4.13) v1(235.98,4.13) v1(239.82,4.13) v1(243.65,4.13) v1(247.49,4.13) v1(251.32,4.13) v1(255.16,4.13) v1(258.99,4.13) v1(262.83,4.13) v1(266.66,4.13) v1(270.5,4.13) v1(274.33,4.13) v1(278.16,4.13) v1(282,4.13) v1(285.83,4.13) v1(289.67,4.13) v1(293.5,4.13) v1(297.34,4.13) v1(301.17,4.13) v1(305.01,4.13) v1(308.84,4.13) v1(317.32,117.48) v1(317.32,113.73) v1(317.32,109.99) v1(317.32,106.25) v1(317.32,102.51) v1(317.32,98.77) v1(317.32,95.02) v1(317.32,91.28) v1(317.32,87.54) v1(317.32,83.8) v1(317.32,80.06) v1(317.32,76.32) v1(317.32,72.57) v1(317.32,68.83) v1(317.32,65.09) v1(317.32,61.35) v1(317.32,57.61) v1(317.32,53.87) v1(317.32,50.12) v1(317.32,46.38) v1(317.32,42.64) v1(317.32,38.9) v1(317.32,35.16) v1(317.32,31.41) v1(317.32,27.67) v1(317.32,23.93) v1(317.32,20.19) v1(317.32,16.45) v1(317.32,12.71)
C0: length 105.9
  Bottom w0.25: SW1.S1 25.05,106.93 SW68.2 24.35,105.27 24.35,87.19 SW26.2 24.35,86.22 24.35,68.14 SW55.2 26.25,65.27 SW6.2 22.78,45.14 22.78,42.53 17.1,36.85 8.22,36.85 1.87,30.5 U2.1
C1: length 138.9
  Bottom w0.25: U2.2 4.41,30.5 10.31,36.4 34.8,36.4 40.39,41.99 40.39,43.05 44.04,46.71 48.16,46.71 SW11.2 50.06,54.81 55.31,60.06 55.31,67.17 SW5.2 54.82,81.94 SW4.2 50.06,103.37 SW3.2 43.4,110.03 43.4,124.32 42.92,124.81
C2: length 166
  Bottom w0.25: 61.97,124.81 62.45,124.32 62.45,114.79 SW8.2 71.98,105.27 71.98,90.98 SW9.2 76.74,86.22 76.74,76.69 SW10.2 83.77,65.64 83.77,58.5 SW16.2 70.41,45.14 70.41,42.54 63.82,35.95 14.94,35.95 9.49,30.5 U2.4
C3: length 294.7
  Bottom w0.25: 81.02,124.81 83.58,122.25 83.58,112.72 SW13.2 91.03,105.27 91.03,90.98 SW14.2 95.3,82.63 104.83,73.11 SW15.2 102.5,65.33 102.5,60.7 77.3,35.5 17.03,35.5 12.03,30.5 U2.5 15,25.92 90.76,25.92 95.98,31.13 111.78,31.13 SW21.2
C4: length 323.2
  Bottom w0.25: 100.07,124.81 102.63,122.25 102.63,112.72 SW18.2 109.59,105.31 114.4,100.5 114.4,86.75 SW19.2 115,86.06 115,76.53 SW20.2 120.75,64.53 120.75,60.7 116.65,56.6 115.42,56.6 113.97,55.15 97.59,55.15 77.49,35.05 19.12,35.05 14.57,30.5 U2.6 17.09,26.37 90.57,26.37 95.79,31.58 129.86,31.58 U1.B2A
C5: length 226.3
  Top w0.25: v1(134.05,56.15) 137.77,56.15 v1(145.31,48.6)
  Bottom w0.25: U2.7 17.11,30.5 21.21,34.6 77.67,34.6 97.77,54.7 114.16,54.7 115.61,56.15 v1(134.05,56.15) 135,56.15 140.1,61.25 140.1,64.83 SW25.2 133.89,76.69 133.89,86.22 SW24.2 131.2,88.91 131.2,103.2 SW23.2 121.68,112.72 121.68,122.25 119.12,124.81
C6: length 380.6
  Bottom w0.25: 138.17,124.81 138.65,124.32 138.65,114.79 SW28.2 148.18,105.27 148.18,90.98 SW29.2 152.94,86.22 152.94,76.69 SW30.2 158.8,64.48 158.8,61.4 152.83,55.43 115.52,55.43 114.34,54.25 97.96,54.25 77.86,34.15 25.84,34.15 22.19,30.5 U2.9 24.26,26.82 90.39,26.82 95.6,32.03 160.88,32.03 SW36.2
C7: length 283.6
  Bottom w0.25: U2.10 24.73,30.5 27.93,33.7 78.05,33.7 98.14,53.8 114.53,53.8 115.7,54.98 171.48,54.98 177.8,61.3 177.8,64.43 SW35.2 ; 157.22,124.81 157.7,124.32 157.7,114.79 SW33.2 169.3,103.2 169.3,88.91 SW34.2 171.99,86.22 171.99,76.69 SW35.2 ; SW35.2 181.03,67.21 197.73,50.5 212.47,50.5 SW45.2
C8: length 300.5
  Top w0.25: v1(200.08,67.66) 197.6,65.18 197.6,61.5 192.4,56.3 170.05,56.3 v1(168,54.25)
  Bottom w0.25: 176.27,124.81 176.75,124.32 176.75,114.79 SW38.2 185.79,105.31 190.6,100.5 190.6,86.75 SW39.2 191.04,86.22 191.04,76.69 v1(200.08,67.66) 200.08,67.21 216.78,50.5 231.52,50.5 SW50.2 ; U2.11 27.27,30.5 30.02,33.25 78.23,33.25 98.33,53.35 114.72,53.35 115.61,54.25 124.6,54.25 124.6,54.25 v1(168,54.25)
C9: length 316.7
  Top w0.25: v1(219.13,67.66) 216,64.53 216,61.4 210.45,55.85 171.47,55.85 v1(169.15,53.53)
  Bottom w0.25: 195.32,124.81 195.8,124.32 195.8,114.79 SW42.2 204.84,105.31 209.65,100.5 209.65,86.75 SW43.2 210.09,86.22 210.09,76.69 v1(219.13,67.66) 219.13,67.21 235.83,50.5 250.57,50.5 SW60.2 ; U2.12 29.81,30.5 32.12,32.8 78.42,32.8 98.52,52.9 114.9,52.9 115.53,53.53 v1(169.15,53.53)
C10: length 330.9
  Top w0.25: v1(238.18,67.66) 235.15,64.63 235.15,61.1 229.45,55.4 173.3,55.4 v1(170.7,52.8)
  Bottom w0.25: SW64.2 269.62,50.5 254.88,50.5 238.18,67.21 v1(238.18,67.66) 238.18,73.12 228.65,82.65 SW48.2 226.45,88.91 226.45,103.2 SW47.2 216.93,112.72 216.93,122.25 214.37,124.81 ; U2.14 34.89,30.5 36.75,32.35 78.6,32.35 93.23,46.97 98.7,52.45 115.09,52.45 115.43,52.8 170.7,52.8 v1(170.7,52.8)
C11: length 351.5
  Top w0.25: v1(172.3,52.05) 175.2,54.95 248,54.95 254.15,61.1 254.15,64.58 v1(257.23,67.66)
  Bottom w0.25: U2.15 37.43,30.5 38.84,31.91 78.79,31.91 97.24,50.36 98.74,51.85 115.15,51.85 115.35,52.05 v1(172.3,52.05) ; 233.42,124.81 235.98,122.25 235.98,112.72 SW52.2 245.5,103.2 245.5,88.91 SW53.2 250.26,84.15 250.26,74.62 v1(257.23,67.66) 260.89,63.99 260.89,56.51 266.45,50.95 288.22,50.95 SW65.2
C12: length 383.6
  Bottom w0.25: U2.17 43.68,27.72 90.02,27.72 95.23,32.93 299.6,32.93 307.2,40.54 307.2,46.19 SW69.2 292.95,65.27 SW59.2 282.29,78.31 275.15,78.31 SW58.2 264.55,88.91 264.55,103.2 SW57.2 261.99,111.36 252.47,120.88 252.47,124.81
GPIO12: length 419.8
  Bottom w0.25: U2.16 41.59,27.27 90.2,27.27 95.42,32.48 300.03,32.48 312.45,44.9 312.45,71.97 SW63.2 302.84,91.84 302.84,103.74 SW67.2 ; SW67.2 303.45,107.16 303.45,121.44 300.09,124.81 ; SW67.2 302.95,103.86 300.77,103.86 298.87,105.75 SW62.2 279.9,106.9 279.9,116.42 271.52,124.81
GPIO14: length 331.8
  Top w0.25: v1(49.25,37.4) 47.59,35.74 U2.19 ; D62.1 D8.1 42.11,110.15 D3.1 36.53,111.27 23.07,111.27 D2.1
  Bottom w0.25: v1(49.25,37.4) 54.9,43.05 54.9,51.09 58.05,54.24 58.05,83.8 53.15,88.7 53.15,106.45 46.6,113 D8.1
GPIO15: length 347.7
  Top w0.25: D67.1 273.43,114.64 259.98,101.19 259.98,101.15 254.43,95.59 D58.1 D69.1 ; U2.20 52.3,31.06 v1(52.3,37.4)
  Bottom w0.25: D9.1 58.5,93.22 58.5,54.05 55.35,50.9 55.35,40.45 v1(52.3,37.4)
GPIO16: length 465.4
  Top w0.25: D66.1 275.2,40.55 272.8,42.95 272.8,75.49 D64.1 ; D1.1 154.94,7.72 D37.1 ; v1(129.94,25.14) D32.1 D17.1 57.31,38.44 55.45,40.3 36.55,40.3 34.69,38.44 D12.1 D7.1
  Bottom w0.25: 126.4,12.44 126.4,21.59 v1(129.94,25.14) ; 126.4,12.44 D37.1 ; 126.4,12.44 D22.1 103.6,11.1 50.14,11.1 U2.21 ; D32.1 D70.1
GPIO17: length 448.1
  Top w0.25: 240.35,72.1 261.6,72.1 261.65,72.16 ; 240.35,72.1 240.35,59.01 D55.1 ; 240.35,72.1 221.55,72.1 ; 221.55,72.1 v1(212.6,72.1) ; 221.55,72.1 221.55,58.76 D50.1 ; 261.65,72.16 261.65,58.69 262.86,57.5 D60.1 ; 261.65,72.16 261.65,73.56 283.69,95.59 D68.1 ; D41.1 183,59.21 v1(183,72.1) 172.5,72.1 168.1,67.7 168.1,59.93 D36.1 D56.1 ; D45.1 202.25,59.01 v1(202.25,72.1) v1(193.7,72.1) ; U2.22 48.76,12.28 51.61,12.28 73.25,33.93 v1(73.25,37.2)
  Bottom w0.25: v1(73.25,37.2) 73.25,41.4 89.34,57.5 D16.1 ; v1(183,72.1) v1(193.7,72.1) ; v1(202.25,72.1) v1(212.6,72.1)
GPIO18: length 346.6
  Top w0.25: D63.1 265.68,86.17 264.74,85.24 264.74,82.1 259.19,76.54 D59.1 D27.1 ; v1(31.55,37.6) 33.72,35.43 33.72,27.33 42.51,18.54 U2.24
  Bottom w0.25: v1(31.55,37.6) 31.55,53.45 28.1,56.9 28.1,69.95 D5.1
GPIO19: length 112.3
  Top w0.25: U2.25 39.96,11.12 C1.1 39.96,17.09 36.55,20.5 16.22,20.5 8.2,28.52 v1(8.2,41.2)
  Bottom w0.25: R3.2 1.18,92.33 1.18,71.64 R1.1 ; 3.25,69.47 3.25,46.15 v1(8.2,41.2)
GPIO20: length 57.9
  Top w0.25: v1(83.31,21.15) 83.31,21.15 J1.4
  Bottom w0.25: v1(83.31,21.15) 74.44,12.28 38.6,12.28 U2.26
GPIO21: length 58
  Top w0.25: v1(80.77,21.05) 80.77,21.05 J1.3
  Bottom w0.25: v1(80.77,21.05) 72.45,12.73 36.51,12.73 U2.27
GPIO22: length 115.7
  Top w0.25: R4.2 5.3,105.07 5.3,94.18 3.3,92.18 5.58,89.9 v1(5.58,68.18) ; v1(5.58,54.58) 5.58,28.07 17.5,16.15 C2.2 29.81,16.13 U2.29
  Bottom w0.25: v1(5.58,68.18) v1(5.58,54.58)
GPIO26: length 168.1
  Top w0.25: v1(54.4,5.95) v1(70,5.95)
  Bottom w0.25: U2.31 24.73,9.5 28.28,5.95 v1(54.4,5.95) ; R5.1 184.42,9.04 136.39,9.04 133.3,5.95 v1(70,5.95)
GPIO27: length 111
  Top w0.25: U1.V2 121.38,9.6 v1(79.6,9.6) ; U2.32 23.7,9.6 v1(72,9.6)
  Bottom w0.25: v1(72,9.6) v1(79.6,9.6)
GPIO28: length 128.6
  Bottom w0.25: U2.34 17.11,9.5 23.76,2.85 134.95,2.85 U1.H2
Net-(D1-Pad2): length 30.5
  Top w0.25: D1.2 139.85,15.19 139.85,26.67 U1.B1A
Net-(D2-Pad2): length 17.4
  Top w0.25: SW1.S2 23.42,122.2 14.38,113.16 D2.2
Net-(D3-Pad2): length 12.1
  Bottom w0.25: SW2.1 30.03,122.22 D3.2
Net-(D4-Pad2): length 2.4
  Bottom w0.25: D4.2 SW3.1
Net-(D5-Pad2): length 2.4
  Bottom w0.25: 34.69,84.17 SW4.1
Net-(D6-Pad2): length 11.1
  Bottom w0.25: SW5.1 D6.2
Net-(D7-Pad2): length 2.4
  Bottom w0.25: SW6.1 D7.2
Net-(D8-Pad2): length 2.4
  Bottom w0.25: SW7.1 D8.2
Net-(D9-Pad2): length 2.4
  Bottom w0.25: D9.2 58.56,103.22
Net-(D10-Pad2): length 2.4
  Bottom w0.25: 60.89,84.17 SW9.1
Net-(D11-Pad2): length 2.4
  Bottom w0.25: SW10.1 D11.2
Net-(D12-Pad2): length 2.4
  Bottom w0.25: D12.2 SW11.1
Net-(D13-Pad2): length 2.4
  Bottom w0.25: SW12.1 D13.2
Net-(D14-Pad2): length 2.4
  Bottom w0.25: D14.2 SW13.1
Net-(D15-Pad2): length 2.4
  Bottom w0.25: 79.94,84.17 SW14.1
Net-(D16-Pad2): length 2.4
  Bottom w0.25: SW15.1 D16.2
Net-(D17-Pad2): length 2.4
  Bottom w0.25: D17.2 SW16.1
Net-(D18-Pad2): length 2.4
  Bottom w0.25: SW17.1 D18.2
Net-(D19-Pad2): length 2.4
  Bottom w0.25: D19.2 SW18.1
Net-(D20-Pad2): length 2.4
  Bottom w0.25: 98.99,84.17 SW19.1
Net-(D21-Pad2): length 2.4
  Bottom w0.25: SW20.1 D21.2
Net-(D22-Pad2): length 2.4
  Bottom w0.25: D22.2 SW21.1
Net-(D23-Pad2): length 2.4
  Bottom w0.25: SW22.1 D23.2
Net-(D24-Pad2): length 2.4
  Bottom w0.25: D24.2 SW23.1
Net-(D25-Pad2): length 2.4
  Bottom w0.25: 118.04,84.17 SW24.1
Net-(D26-Pad2): length 2.4
  Bottom w0.25: SW25.1 D26.2
Net-(D27-Pad2): length 2.4
  Bottom w0.25: 8.5,84.17 SW26.1
Net-(D28-Pad2): length 2.4
  Bottom w0.25: SW27.1 D28.2
Net-(D29-Pad2): length 2.4
  Bottom w0.25: SW28.1 D29.2
Net-(D30-Pad2): length 2.4
  Bottom w0.25: 137.09,84.17 SW29.1
Net-(D31-Pad2): length 2.4
  Bottom w0.25: SW30.1 D31.2
Net-(D32-Pad2): length 2.4
  Bottom w0.25: D32.2 SW31.1
Net-(D33-Pad2): length 2.4
  Bottom w0.25: SW32.1 D33.2
Net-(D34-Pad2): length 2.4
  Bottom w0.25: D34.2 SW33.1
Net-(D35-Pad2): length 2.4
  Bottom w0.25: 156.14,84.17 SW34.1
Net-(D36-Pad2): length 2.4
  Bottom w0.25: SW35.1 D36.2
Net-(D37-Pad2): length 2.4
  Bottom w0.25: SW36.1 D37.2
Net-(D38-Pad2): length 2.4
  Bottom w0.25: SW37.1 D38.2
Net-(D39-Pad2): length 2.4
  Bottom w0.25: SW38.1 D39.2
Net-(D40-Pad2): length 2.4
  Bottom w0.25: 175.19,84.17 SW39.1
Net-(D41-Pad2): length 2.4
  Bottom w0.25: SW40.1 D41.2
Net-(D42-Pad2): length 2.4
  Bottom w0.25: SW41.1 D42.2
Net-(D43-Pad2): length 2.4
  Bottom w0.25: SW42.1 D43.2
Net-(D44-Pad2): length 2.4
  Bottom w0.25: 194.24,84.17 SW43.1
Net-(D45-Pad2): length 2.4
  Bottom w0.25: SW44.1 D45.2
Net-(D46-Pad2): length 2.4
  Bottom w0.25: D46.2 SW45.1
Net-(D47-Pad2): length 2.4
  Bottom w0.25: SW46.1 D47.2
Net-(D48-Pad2): length 2.4
  Bottom w0.25: 210.96,103.22 D48.2
Net-(D49-Pad2): length 2.4
  Bottom w0.25: 213.29,84.17 SW48.1
Net-(D50-Pad2): length 2.4
  Bottom w0.25: SW49.1 D50.2
Net-(D51-Pad2): length 2.4
  Bottom w0.25: D51.2 SW50.1
Net-(D52-Pad2): length 2.4
  Bottom w0.25: SW51.1 D52.2
Net-(D53-Pad2): length 2.4
  Bottom w0.25: SW52.1 D53.2
Net-(D54-Pad2): length 2.4
  Bottom w0.25: SW53.1 232.34,84.17
Net-(D55-Pad2): length 2.4
  Bottom w0.25: SW54.1 D55.2
Net-(D56-Pad2): length 2.4
  Bottom w0.25: SW55.1 D56.2
Net-(D57-Pad2): length 2.4
  Bottom w0.25: SW56.1 D57.2
Net-(D58-Pad2): length 2.4
  Bottom w0.25: SW57.1 D58.2
Net-(D59-Pad2): length 2.4
  Bottom w0.25: 251.39,84.17 SW58.1
Net-(D60-Pad2): length 12.7
  Bottom w0.25: SW59.1 D60.2
Net-(D61-Pad2): length 2.4
  Bottom w0.25: D61.2 SW60.1
Net-(D62-Pad2): length 2.4
  Bottom w0.25: SW61.1 D62.2
Net-(D63-Pad2): length 2.4
  Bottom w0.25: SW62.1 D63.2
Net-(D64-Pad2): length 10.9
  Bottom w0.25: 273.85,84.17 SW63.1
Net-(D65-Pad2): length 2.4
  Bottom w0.25: D65.2 SW64.1
Net-(D66-Pad2): length 2.4
  Bottom w0.25: D66.2 SW65.1
Net-(D67-Pad2): length 10
  Bottom w0.25: D67.2 287.16,122.26 SW66.1
Net-(D68-Pad2): length 2.4
  Bottom w0.25: SW67.1 D68.2
Net-(D69-Pad2): length 2.4
  Bottom w0.25: D69.2 SW68.1
Net-(D70-Pad2): length 2.4
  Bottom w0.25: D70.2 SW69.1
Net-(J2-Pad1): length 4.6
  Top w0.25: U2.43 54.44,17.46 J2.1
Net-(J2-Pad3): length 4.6
  Top w0.25: J2.3 49.92,22.56 U2.41
Net-(J3-Pad2): length 6.5
  Bottom w0.25: R5.2 187.25,20.79 J3.2
Net-(R3-Pad1): length 21.6
  Bottom w0.25: 3.35,104.68 11.87,113.2 11.87,120.88 SW1.A
Net-(R4-Pad1): length 7.2
  Bottom w0.25: R4.1 10.52,117.18 SW1.B
unconnected-(U1-PadS1): length 45.1
  Top w0.25: U1.S4 U1.S3
  Bottom w0.25: U1.S1 133.39,22.65 145.55,22.65 U1.S4 ; U1.S2 U1.S3

## Copper pours and planes (outline as drawn; the poured copper is in the pictures)
GND on Top, Bottom: 331.65,-10.95 -15.35,-10.95 -15.35,137.55 331.65,137.55

## Text on the board
B.Silkscreen: 5V | DIN | GND | 10k | 330
F.Silkscreen: https://github.com/zli117/Pico-Keyboard / CC BY-SA 4.0 / Ver 0.4
